# Altium PCB PCB1.PcbDoc (part 1 of 3) (continued)
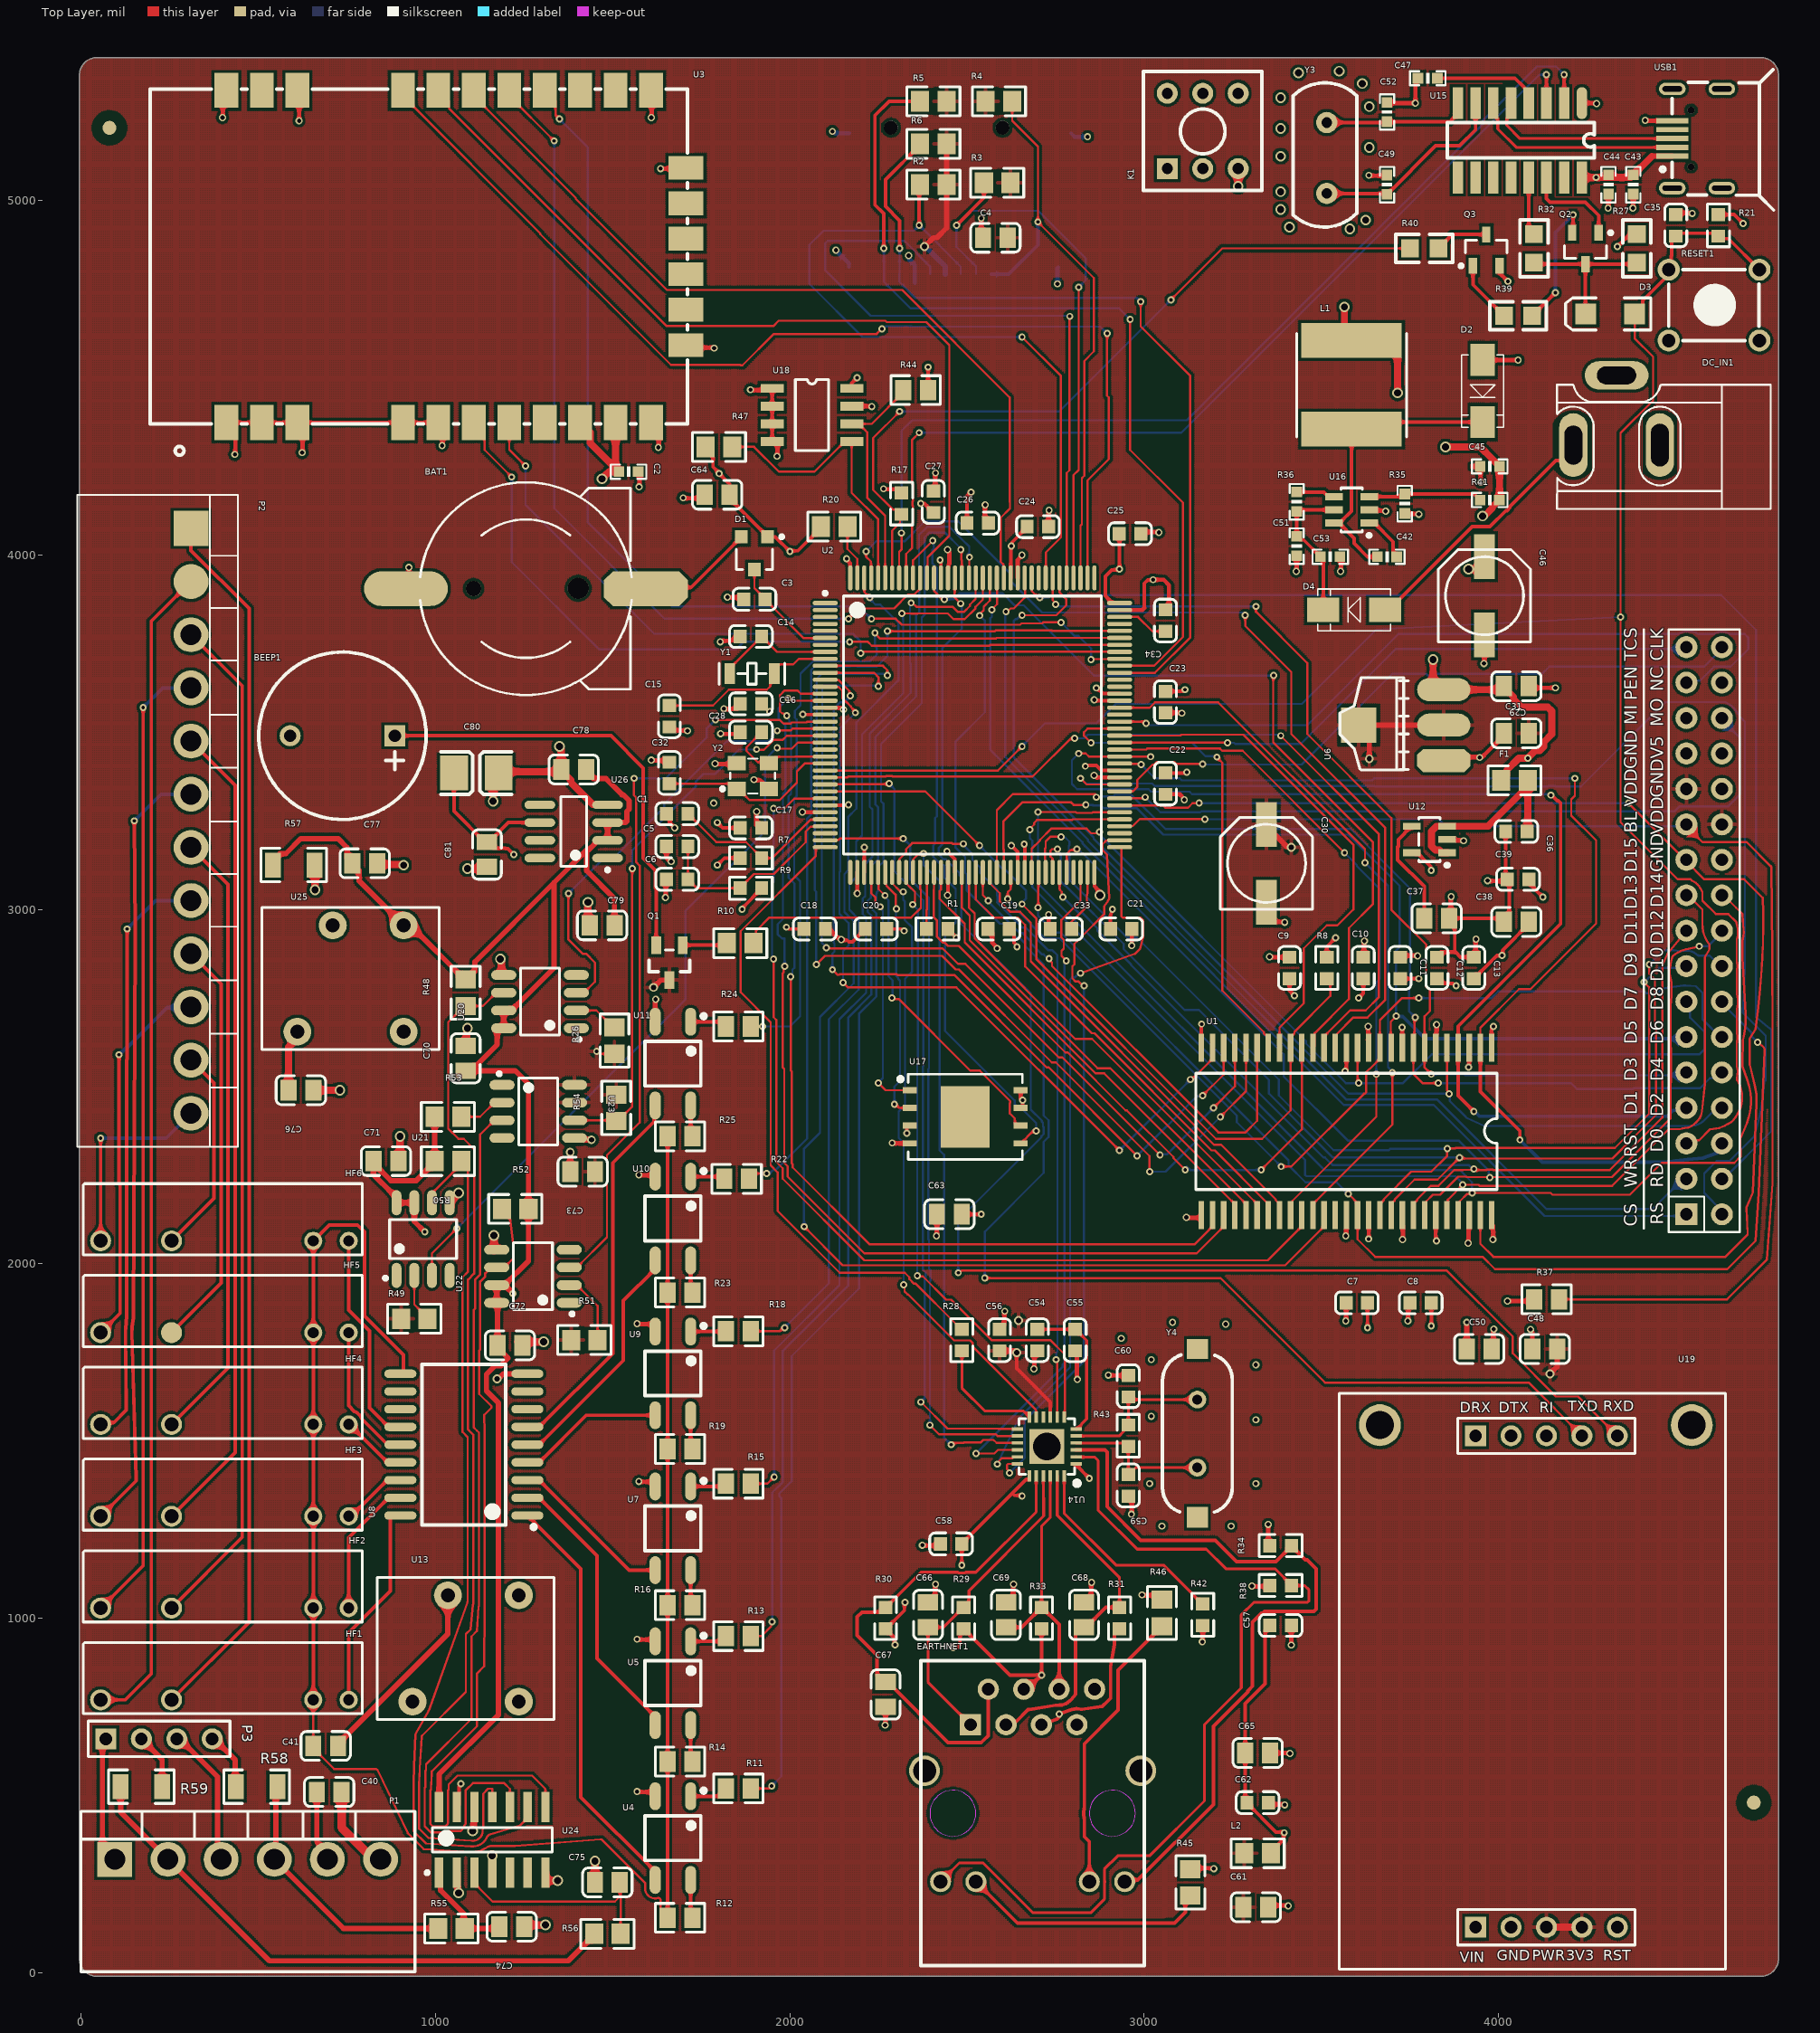
[diagram p0: Top Layer view]
## Components (designator, comment, footprint, x,y, rotation, side; value= is the part's Value field where it differs from the comment)
BAT1 "CMP-00029-00001-1" BATM 1255,3905 r90 top
BEEP1 "BEEP" BELL-5 885,3490 r180 top
C1 "CAP" LC-0603_C 1682.03,3270 r0 top value=104
C2 "104" 0603P 1545,4235 r180 top
C3 "CAP" LC-0603_C 1900,3875 r0 top value=104
C4 "CMP-001-00083-1" CAP 2580,4895 r0 top value=104
C5 "CAP" LC-0603_C 1682.03,3177.5 r0 top value=104
C6 "CMP-001-00083-1" LC-0603_C 1682.03,3085 r0 top value=10uF
C7 "CAP" LC-0603_C 3600,1890 r0 top value=104
C8 "CAP" LC-0603_C 3780,1890 r0 top value=104
C9 "CAP" LC-0603_C 3410,2835 r270 top value=104
C10 "CAP" LC-0603_C 3618,2835 r270 top value=104
C11 "CAP" LC-0603_C 3722,2835 r270 top value=104
C12 "CAP" LC-0603_C 3826,2835 r270 top value=104
C13 "CAP" LC-0603_C 3930,2835 r270 top value=104
C14 "CMP-001-00083-1" LC-0603_C 1890,3770 r0 top value=6pF
C15 "CMP-001-00083-1" LC-0603_C 1660,3545 r90 top value=6pF
C16 "CMP-001-00083-1" LC-0603_C 1890,3580 r0 top value=104
C17 "CMP-001-00083-1" LC-0603_C 1890,3230 r180 top value=104
C18 "CAP" LC-0603_C 2070,2945 r180 top value=104
C19 "CAP" LC-0603_C 2589,2945 r0 top value=104
C20 "CAP" LC-0603_C 2243,2945 r0 top value=104
C21 "CAP" LC-0603_C 2935,2945 r180 top value=104
C22 "CAP" LC-0603_C 3060,3355 r90 top value=104
C23 "CAP" LC-0603_C 3060,3585 r90 top value=104
C24 "104" LC-0603_C 2700,4080 r180 top
C25 "CAP" LC-0603_C 2960,4060 r180 top value=104
C26 "CAP" LC-0603_C 2530,4090 r180 top value=104
C27 "CAP" LC-0603_C 2405,4150 r270 top value=104
C28 "CMP-001-00083-1" LC-0603_C 1890,3500 r0 top value=22pF
C29 "CMP-001-00083-1" CAP 4050,3630 r180 top value=104
C30 "220uF/10V" 220uF/10V 3345,3130 r270 top
C31 "CMP-001-00083-1" CAP 4050,3497 r0 top value=104
C32 "CMP-001-00083-1" LC-0603_C 1660,3385 r270 top value=22pF
C33 "CMP-001-00083-1" LC-0603_C 2765,2945 r0 top value=225
C34 "CMP-001-00083-1" LC-0603_C 3060,3815 r270 top value=225
C35 "CAP" LC-0603_C 4500,4930 r90 top value=104
C36 "CMP-001-00083-1" LC-0603_C 4050,3220 r0 top value=10uF
C37 "CMP-001-00083-1" CAP 3825,2975 r180 top value=103
C38 "CMP-001-00083-1" CAP 4050,2965 r0 top value=104
C39 "CMP-001-00083-1" LC-0603_C 4055,3085 r0 top value=10uF
C40 "CMP-001-00083-1" CAP 700,510 r0 top value=1uF
C41 "CMP-001-00083-1" CAP 690,640 r0 top value=0.47uF
C42 "104" 0603P 3685,3995 r0 top
C43 "104" 0603P 4380,5045 r90 top
C44 "10uF" 0603P 4310,5045 r90 top
C45 "104" 0603P 3975,4250 r0 top
C46 "220uF" CC6.56.5 3960,3885 r270 top
C47 "104" 0603P 3800,5345 r180 top
C48 "CMP-001-00083-1" CAP 4130,1760 r180 top value=104
C49 "22pF" 0603P 3685,5045 r270 top
C50 "CMP-001-00083-1" CAP 3945,1760 r0 top value=104
C51 "10uF" 0603P 3430,4025 r90 top
C52 "22pF" 0603P 3685,5250 r270 top
C53 "104" 0603P 3525,3995 r180 top
C54 "CAP" LC-0603_C 2698.33,1785 r90 top value=104
C55 "CMP-001-00083-1" LC-0603_C 2805,1785 r90 top value=10uF
C56 "CAP" LC-0603_C 2591.67,1785 r270 top value=104
C57 "CAP" LC-0603_C 3385,980 r180 top value=104
C58 "CAP" LC-0603_C 2455,1210 r0 top value=104
C59 "CMP-001-00083-1" LC-0603_C 2955,1375 r90 top value=22
C60 "CMP-001-00083-1" LC-0603_C 2955,1655 r270 top value=22
C61 "CMP-001-00083-1" CAP 3315,185 r180 top value=104
C62 "CMP-001-00083-1" LC-0603_C 3320,480 r180 top value=10uF
C63 "CMP-001-00083-1" CAP 2450,2140 r180 top value=104
C64 "CMP-001-00083-1" CAP 1795,4170 r180 top value=104
C65 "CMP-001-00083-1" CAP 3320,620 r180 top value=223
C66 "CMP-001-00083-1" CAP 2389.7,1009.69 r270 top value=10
C67 "CMP-001-00083-1" CAP 2270,785 r90 top value=10
C68 "CMP-001-00083-1" CAP 2829.9,1009.69 r270 top value=10
C69 "CMP-001-00083-1" CAP 2609.8,1009.69 r270 top value=10
C70 "CAP" CAP 1085,2580 r90 top value=104
C71 "CAP" CAP 860,2290 r0 top value=104
C72 "CAP" CAP 1210,1770 r0 top value=104
C73 "CAP" CAP 1415,2260 r180 top value=104
C74 "CAP" CAP 1215,130 r180 top value=104
C75 "CAP" CAP 1485,255 r0 top value=104
C76 "CMP-001-00083-1" CAP 620,2490 r180 top value=1uF
C77 "CMP-001-00083-1" CAP 800,3130 r0 top value=10uF
C78 "CAP" CAP 1390,3395 r0 top value=10uF
C79 "CAP" CAP 1470,2955 r0 top value=0.1uF
C80 "A型钽电容" A型贴片钽电容 1115,3385 r0 top
C81 "CAP" CAP 1145,3155 r90 top value=104
D1 "CMP-004-00032-1" SOT-23 1900,4010 r180 top
D2 "SS14" DIODE_3*5.3 3955,4460 r270 top
D3 "1N4148" 3.2X1.6X1.1 4315,4680 r180 top
D4 "SS14" DIODE_3*5.3 3590,3845 r180 top
DC_IN1 "POWER" DC10B 4630,4480 r180 top
EARTHNET1 "RJ45" HR911105A 2685,450 r180 top
F1 "CMP-009-00177-1" RES#1 4044.69,3364 r0 top value=1000MA
HF1 "HF49FD" HF49FDXXX_1HX1#1 410,830 r90 top
HF2 "HF49FD" HF49FDXXX_1HX1#1 410,1089 r90 top
HF3 "HF49FD" HF49FDXXX_1HX1#1 410,1348 r90 top
HF4 "HF49FD" HF49FDXXX_1HX1#1 410,1607 r90 top
HF5 "HF49FD" HF49FDXXX_1HX1#2 410,1866 r90 top
HF6 "HF49FD" HF49FDXXX_1HX1#1 410,2125 r90 top
K1 "BUTTON" BTN8.5*8.5 3065,5090 r90 top
L1 "4.7uH" L_SOP74 3585,4605 r270 top
L2 "L220R" RES#1 3320,337.32 r0 top
P1 "KF2EDG 3.81MM插拔式 6P" "KF2EDG 3.81MM拔插" 395,320 r0 top
P2 "KF2EDG 3.81MM插拔式 12P" "KF2EDG 3.81mm插拔式" 310,3325 r270 top
P3 "Header 4" HDR1X4 70,660 r0 top
Q1 "S8050" NPN/PNP 1660,2850 r90 top
Q2 "S8050" SOT-23_N 4245,4865 r270 top
Q3 "S8550" SOT-23B_N 3965,4860 r90 top
R1 "CMP-009-00177-1" LC-0603_R 2416,2945 r180 top value=100K
R2 "10K" RES#1 2405,5045 r0 top
R3 "10K" RES#1 2585,5050 r0 top
R4 "10K" RES#1 2590,5280 r180 top
R5 "10K" RES#1 2405,5280 r0 top
R6 "10K" RES#1 2405,5160 r0 top
R7 "CMP-009-00177-1" LC-0603_R 1890,3145 r180 top value=10R
R8 "10K" LC-0603_R 3515,2835 r270 top
R9 "CMP-009-00177-1" LC-0603_R 1890,3060 r180 top value=10R
R10 "1K" RES#1 1860,2905 r180 top
R11 "RES" RES#2 1855,520 r180 top value=560R
R12 "CMP-009-00180-1" RES#2 1690,155 r180 top value=22k
R13 "RES" RES#2 1855,950 r180 top value=560R
R14 "CMP-009-00180-1" RES#2 1690,596 r180 top value=22k
R15 "RES" RES#2 1855,1380 r180 top value=560R
R16 "CMP-009-00180-1" RES#2 1690,1037 r180 top value=22k
R17 "CMP-009-00177-1" LC-0603_R 2315,4145 r90 top value=100K
R18 "RES" RES#2 1855,1810 r180 top value=560R
R19 "CMP-009-00180-1" RES#2 1690,1478 r180 top value=22k
R20 "CMP-009-00177-1" RES#1 2125,4080 r0 top value=0R
R21 "10K" LC-0603_R 4620,4930 r90 top
R22 "RES" RES#2 1850,2240 r180 top value=560R
R23 "CMP-009-00180-1" RES#2 1690,1919 r180 top value=22k
R24 "RES" RES#2 1855,2670 r180 top value=560R
R25 "CMP-009-00180-1" RES#2 1690,2360 r180 top value=22k
R26 "RES" RES#1 1505,2630 r90 top value=680R
R27 "10K" 0805R 4390,4825 r90 top
R28 "510R" LC-0603_R 2485,1785 r270 top
R29 "49.9R" LC-0603_R 2490.1,1000.43 r270 top
R30 "49.9R" LC-0603_R 2270,1000.43 r270 top
R31 "49.9R" LC-0603_R 2930.3,1000.43 r270 top
R32 "1K" 0805R 4100,4825 r90 top
R33 "49.9R" LC-0603_R 2710.2,1000.43 r270 top
R34 "10K" LC-0603_R 3385,1205 r180 top
R35 "9.53K" 0603P 3735,4145 r270 top
R36 "100K" 0603P 3430,4150 r90 top
R37 "CMP-009-00180-1" RES#2 4135,1900 r0 top value=4.7K
R38 "10K" LC-0603_R 3385,1092.5 r180 top
R39 "1K" 0805R 4015,4675 r0 top
R40 "1K" 0805R 3750,4865 r0 top
R41 "49.9K" 0603P 3975,4155 r180 top
R42 "12.1K" LC-0603_R 3165,1010 r90 top
R43 "1M" LC-0603_R 2955,1515 r90 top
R44 "CMP-009-00180-1" RES#2 2355,4465 r0 top value=4.7K
R45 "510R" RES#1 3130,255 r270 top
R46 "510R" RES#1 3050,1015 r270 top
R47 "4.7K" RES#1 1800,4305 r180 top
R48 "RES" RES#1 1085,2765 r90 top value=4.7K
R49 "RES" RES#1 940,1845 r0 top value=680R
R50 "RES" RES#1 1035,2290 r180 top value=4.7K
R51 "RES" RES#1 1420,1785 r0 top value=680R
R52 "RES" RES#1 1225,2155 r0 top value=4.7K
R53 "RES" RES#1 1035,2415 r0 top value=680R
R54 "RES" RES#1 1510,2440 r90 top value=4.7K
R55 "RES" RES#1 1045,125 r0 top value=680
R56 "RES" RES#1 1485,110 r0 top value=680
R57 "CMP-009-00180-1" 1206_R 600,3125 r0 top value=166.7R
R58 "CMP-009-00180-1" 1206_R 495,525 r180 top value=250
R59 "CMP-009-00180-1" 1206_R 170,525 r0 top value=250
RESET1 "CMP-012-000013-1" KEY_M 4480,4805 r0 top
TF1 "TF_Card" TF_CARD 2175,5190 r0 bottom
TFTLCD1 "TFT_LCD2" DB2*17-3.5 4740,1865 r90 bottom
U1 "W9825G6KH-6" TSOP54 3980,2610 r270 top
U2 "stm32f429zgt6" STM-LQFP144_N 2515,3520 r0 top
U3 "E32-400M30S" WIRELM-SMD_E32-400M30S -575,6860 r270 top
U4 "TLP185GB" TLP185GB 1670,380 r270 top
U5 "TLP185GB" TLP185GB 1670,817 r270 top
U6 "AMS1117-3.3" AMS1117 3845,3420 r90 top
U7 "TLP185GB" TLP185GB 1670,1254 r270 top
U8 "ULN2803" ULN2803 1080,1490 r90 top
U9 "TLP185GB" TLP185GB 1670,1691 r270 top
U10 "TLP185GB" TLP185GB 1670,2128 r270 top
U11 "TLP185GB" TLP185GB 1670,2565 r270 top
U12 "CAT6219-330TD" SOT-23-5 3855,3160 r180 top
U13 "B_D-1WR2" B_D-1WR2 1135,965 r0 top
U14 "LAN8720A" QFN24 2725,1485 r180 top
U15 "CH340G" CH340 4235,5275 r270 top
U16 "MP2359" SOT-23-6 3635,4090 r180 top
U17 "W25Q256" WSON8 2495,2415 r0 top
U18 "24C02" SOP-8 1950,4470 r0 top
U19 "BC25" BC28 3000,2330 r270 top
U20 "6N137" 6N137 1295,2740 r90 top
U21 "6N137" 6N137 965,2070 r0 top
U22 "6N137" 6N137 1275,1965 r90 top
U23 "6N137" 6N137 1290,2430 r270 top
U24 "MCP3204" MCP3204 1160,375 r90 top
U25 "B_D-1WR2" B_D-1WR2 810,2855 r0 top
U26 "REF198-E" REF198 1390,3220 r180 top
USB1 "USB" USB-mirco 4490,5175 r90 top
Y1 "XTAL-32.768Khz" XTAL3215 1830,3665 r0 top
Y2 "25MHz" XTAL3225 1850,3340 r0 top
Y3 "12MHz" 插针二脚晶振 3515,5020 r90 top
Y4 "25MHz" XTAL_US 3150,1425 r90 top

## Footprints (in the part's own frame and the unit in brackets; to place one, negate y for a bottom-side part, rotate by r counter-clockwise, add the part's x,y. Pads: shape width x height; smd on the part's side, far side on the other; paste and mask are expansions set on the pad)
3.2X1.6X1.1 [mm]
  rect 1.5x1.5 smd: 1(-1.75,0) 2(1.75,0)
  silkscreen extent -2.9,-1.15 3.2,1.15
6N137 [mm]
  oval 0.7x1.8 smd: 1(-1.905,-2.6) 2(-0.635,-2.6) 3(0.635,-2.6) 4(1.905,-2.6) 5(1.905,2.6) 6(0.635,2.6) 7(-0.635,2.6) 8(-1.905,2.6)
  silkscreen extent -2.82,-2.93 2.4,1.4
220uF/10V [mm]
  rect 3.2x1.5 smd: 1(-2.794,0) 2(2.8,0)
  silkscreen extent -3.3,-3.3 3.3,3.3
0603P [mil]
  rect 30x30 smd: 1(-27,0) 2(27.5,-0.06)
  silkscreen extent -50,-20 50,20
0805R [mil]
  rect 50x50 smd: 1(0,0) 2(80,0)
  silkscreen extent -40,-40 120,40
1206_R [mm]
  rect 1.13x1.8 smd: 1(-1.49,0) 2(1.49,0)
  silkscreen extent -2.36,-1.2 2.35,1.2, body extent -1.7,-0.86 1.65,0.87, height 0.85
AMS1117 [mil]
  oct 65x150 smd: 1(0.03,-0.06)
  oval 65x150 smd: 2(100.03,-0.06) 3(200.03,-0.06)
  rect 100x100 smd: 4(100.03,239.94)
  silkscreen extent -26,100 234,293
A型贴片钽电容 [mm]
  rect 2x2.5 smd: 1(-1.6,0) 2(1.6,0)
  silkscreen extent -2.54,-1.52 2.54,1.52
B_D-1WR2 [mm]
  round 2 hole 1: 1(-5.08,-5.08) 4(2.54,-5.08) 5(2.54,2.54) 7(-2.54,2.54)
  silkscreen extent -7.62,-6.35 5.08,3.81
BATM [mm]
  round 1.1 hole 1.1 unplated: 0(0,3.748)
  round 1.5 hole 1.5 unplated: 0(0.025,-3.752)
  oct 2.5x6 smd: 1(0,-8.602)
  oval 2.5x6 smd: 2(0,8.598)
  silkscreen extent -7.62,-7.58 7.62,7.57
BC28 [mm]
  round 3 hole 2: 0(19.939,39.243) 1(19.939,16.891)
  rect 1.5x1.5 hole 0.9: 1(20.701,23.749) 1(55.92,23.749)
  round 1.5 hole 0.9: 2(20.701,26.289) 2(55.92,26.289) 3(20.701,28.829) 3(55.92,28.829) 4(20.701,31.369) 4(55.92,31.369) 5(20.701,33.909) 5(55.92,33.909)
  silkscreen extent 17.65,13.97 58.93,41.66
BELL-5 [mm]
  rect 1.5x1.5 hole 0.9: 1(0,0)
  round 1.5 hole 0.9: 2(7.5,0)
  silkscreen extent -2.25,-6 9.75,6
BTN8.5*8.5 [mm]
  rect 1.5x1.5 hole 0.8: 1(0,0)
  round 1.5 hole 0.8: 2(0,-2.54) 3(0,-5.08) 4(5.4,-5.08) 5(5.4,-2.54) 6(5.4,0)
  silkscreen extent -1.55,-6.79 6.95,1.71
CAP [mm]
  rect 1.16x1.47 smd: 1(-0.89,0) 2(0.89,0)
  silkscreen extent -1.77,-1.04 1.77,1.04, body extent -1,-0.62 1,0.63, height 0.77
CC6.56.5 [mm]
  rect 3.2x1.5 smd: 1(-2.794,0) 2(2.8,0)
  silkscreen extent -3.3,-3.3 3.3,3.3
CH340 [mil]
  oval 90x30 smd: 1(0,0)
  rect 90x30 smd: 2(0,-50) 3(0,-100) 4(0,-150) 5(0,-200) 6(0,-250) 7(0,-300) 8(0,-350) 9(210,-350) 10(210,-300) 11(210,-250) 12(210,-200) 13(210,-150) 14(210,-100) 15(210,-50) 16(210,0)
  silkscreen extent 55,-380 155,35
DB2*17-3.5 [mil]
  round 137.8 on Mid1: 0(5.2,-4515)
  round 137.8 smd: 0(2149.88,-4515)
  rect 62x62 hole 35: 1(275,-210)
  round 62 hole 35: 2(275,-110) 3(375,-210) 4(375,-110) 5(475,-210) 6(475,-110) 7(575,-210) 8(575,-110) 9(675,-210) 10(675,-110) 11(775,-210) 12(775,-110) 13(875,-210) 14(875,-110) 15(975,-210) 16(975,-110) 17(1075,-210) 18(1075,-110) 19(1175,-210) 20(1175,-110) 21(1275,-210) 22(1275,-110) 23(1375,-210) 24(1375,-110) 25(1475,-210) 26(1475,-110) 27(1575,-210) 28(1575,-110) 29(1675,-210) 30(1675,-110) 31(1775,-210) 32(1775,-110) 33(1875,-210) 34(1875,-110)
  silkscreen extent -135,-4615 2290,0
DC10B [mil]
  oval 80x180 hole 50 slot 110 at 90 deg: 1(419.09,170)
  oval 80x180 hole 50 slot 120 at 90 deg: 2(175,170)
  oval 180x80 hole 50 slot 110 at 0 deg: 3(297.05,-26.85)
  silkscreen extent -138,0 465,350
DIODE_3*5.3 [mm]
  rect 2.3x1.75 smd: 1(-2.286,0) 2(2.159,0)
  silkscreen extent -2.67,-1.5 2.54,1.5
HDR1X4 [mm]
  rect 1.5x1.5 hole 0.9: 1(0,0)
  round 1.5 hole 0.9: 2(2.54,0) 3(5.08,0) 4(7.62,0)
  silkscreen extent -1.27,-1.27 8.89,1.27
HF49FDXXX_1HX1#1 [mm]
  round 1.3 hole 0.8: 1(-1.524,-8.763) 2(-1.524,-6.223)
  round 1.5 hole 1: 3(-1.524,3.937) 4(-1.524,9.017)
  silkscreen extent -2.52,-9.73 2.58,10.27
HF49FDXXX_1HX1#2 [mm]
  round 1.3 hole 0.8: 1(-1.524,-8.763) 2(-1.524,-6.223)
  round 1.5 smd: 3(-1.524,3.937)
  round 1.5 hole 1: 4(-1.524,9.017)
  silkscreen extent -2.52,-9.73 2.58,10.27
HR911105A [mm]
  rect 1.524x1.524 hole 0.889: 1(4.45,-6.35)
  round 1.524 hole 0.889: 2(3.18,-8.89) 3(1.91,-6.35) 4(0.64,-8.89) 5(-0.63,-6.35) 6(-1.9,-8.89) 7(-3.17,-6.35) 8(-4.44,-8.89)
  round 1.5 hole 1.02: 9(6.6,4.9) 10(4.064,4.9) 11(-4.064,4.9) 12(-6.6,4.9)
  round 2.2 hole 1.65: 13(7.75,-3.048) 14(-7.75,-3.048)
  Keep-Out Layer circle w0.051: c5.716,0 r1.65
  Keep-Out Layer circle w0.051: c-5.714,0 r1.65
  silkscreen extent -8,-10.92 8,10.92
KEY_M [mil]
  round 62 hole 38: 1(0,0) 1(255.91,0) 2(0,-200) 2(255.91,-200)
  silkscreen extent 0,-200 255,0
"KF2EDG 3.81MM拔插" [mm]
  rect 2.5x2.5 hole 1.5: 1(-7.62,0)
  round 2.5 hole 1.5: 2(-3.81,0) 3(0,0) 4(3.81,0) 5(7.62,0) 6(11.43,0)
  silkscreen extent -10.03,-8.05 13.89,3.45
"KF2EDG 3.81mm插拔式" [mm]
  rect 2.5x2.5 smd: 1(-19.05,0)
  round 2.5 smd: 2(-15.24,0)
  round 2.5 hole 1.5: 3(-11.43,0) 4(-7.62,0) 5(-3.81,0) 6(0,0) 7(3.81,0) 8(7.62,0) 9(11.43,0) 10(15.24,0) 11(19.05,0) 12(22.86,0)
  silkscreen extent -21.46,-8.14 25.25,3.36
L_SOP74 [mm]
  rect 2.5x7.2 smd: 1(0,0) 2(6.35,0)
  silkscreen extent -0.51,-3.94 6.89,3.94
LC-0603_C [mm]
  rect 0.93x0.98 smd: 1(-0.77,0) 2(0.77,0)
  silkscreen extent -1.53,-0.79 1.54,0.79, body extent -0.8,-0.4 0.8,0.4, height 0.3
LC-0603_R [mm]
  rect 0.93x0.98 smd: 1(-0.77,0) 2(0.77,0)
  silkscreen extent -1.53,-0.79 1.54,0.79, body extent -0.85,-0.4 0.85,0.4, height 0.56
MCP3204 [mm] "SOIC, 14-Leads, Body 8.6x3.9mm (max), Pitch 1.27mm, IPC Medium Density"
  rect 2.15x0.6 smd: 1(-2.35,3.81) 2(-2.35,2.54) 3(-2.35,1.27) 4(-2.35,0) 5(-2.35,-1.27) 6(-2.35,-2.54) 7(-2.35,-3.81) 8(2.35,-3.81) 9(2.35,-2.54) 10(2.35,-1.27) 11(2.35,0) 12(2.35,1.27) 13(2.35,2.54) 14(2.35,3.81)
  silkscreen extent -2.47,-4.3 0.87,4.78, body extent -1.95,-4.33 1.95,4.33, height 1.75
NPN/PNP [mm]
  rect 1.25x0.7 smd: 1(1.25,-0.95) 2(1.25,0.95) 3(-1.25,0)
  silkscreen extent -0.65,-1.46 0.9,1.46, body extent -1.5,-1.5 1.5,1.5, height 1.3
QFN24 [mm]
  rect 0.8x0.25 smd: 1(-2.101,1.25) 2(-2.101,0.75) 3(-2.101,0.25) 4(-2.101,-0.25) 5(-2.101,-0.75) 6(-2.101,-1.25) 13(2.101,-1.25) 14(2.101,-0.75) 15(2.101,-0.25) 16(2.101,0.25) 17(2.101,0.75) 18(2.101,1.25)
  rect 0.25x0.8 smd: 7(-1.25,-2.101) 8(-0.75,-2.101) 9(-0.25,-2.101) 10(0.25,-2.101) 11(0.75,-2.101) 12(1.25,-2.101) 19(1.25,2.101) 20(0.75,2.101) 21(0.25,2.101) 22(-0.25,2.101) 23(-0.75,2.101) 24(-1.25,2.101)
  rect 2.5x2.5 hole 2: 25(0,0)
  silkscreen extent -2.31,-2 2,2.79
REF198 [mm]
  oval 2.2x0.6 smd: 1(-2.425,1.905) 2(-2.425,0.635) 3(-2.425,-0.635) 4(-2.425,-1.905) 5(2.425,-1.905) 6(2.425,-0.635) 7(2.425,0.635) 8(2.425,1.905)
  silkscreen extent -2.55,-2.5 0.93,2.88, body extent -2,-2.5 2,2.5, height 1.75
RES#1 [mm]
  rect 1.3x1.47 smd: 1(-0.95,0) 2(0.95,0)
  silkscreen extent -1.91,-1.04 1.91,1.03, body extent -1,-0.62 1,0.63, height 0.49
RES#2 [mm]
  rect 1.16x1.47 smd: 1(-0.89,0) 2(0.89,0)
  silkscreen extent -1.77,-1.04 1.77,1.03, body extent -1,-0.62 1,0.63, height 0.49
SOP-8 [mil]
  rect 65x25 smd: 1(0,0) 2(0,-50) 3(0,-100) 4(0,-150) 5(224.41,-150) 6(224.41,-100) 7(224.41,-50) 8(224.41,0)
  silkscreen extent 65,-175 159,25
SOT-23 [mm]
  rect 0.9x0.95 smd: 1(-0.95,-1.048) 2(0.95,-1.048) 3(0,1.302)
  silkscreen extent -2.07,-1.17 1.3,1.3
SOT-23-5 [mil]
  rect 50x20 smd: 1(0,0) 2(0,-37.4) 3(0,-74.8) 4(100,-74.8) 5(100,0)
  silkscreen extent 0,-99 80,35
SOT-23-6 [mil]
  rect 50x20 smd: 1(0,0) 2(0,-37.4) 3(0,-74.8) 4(100,-74.8) 5(100,-37.4) 6(100,0)
  silkscreen extent 0,-99 80,35
SOT-23_N [mm]
  rect 1.15x0.6 smd: 1(-1.125,0.95) 2(-1.125,-0.95) 3(1.125,0)
  silkscreen extent -1.25,-1.5 0.7,1.93, body extent -0.7,-1.5 0.7,1.5, height 1.1
SOT-23B_N [mm]
  rect 1.15x0.6 smd: 1(-1.125,0.95) 2(-1.125,-0.95) 3(1.125,0)
  silkscreen extent -1.25,-1.5 0.7,1.92, body extent -0.7,-1.5 0.7,1.5, height 1.14
STM-LQFP144_N [mm] "Thin QFP, 144-Leads, Body 20x20mm, Pitch 0.5mm, IPC Medium Density"
  oval 1.8x0.3 smd: 1(-10.55,8.75) 2(-10.55,8.25) 3(-10.55,7.75) 4(-10.55,7.25) 5(-10.55,6.75) 6(-10.55,6.25) 7(-10.55,5.75) 8(-10.55,5.25) 9(-10.55,4.75) 10(-10.55,4.25) 11(-10.55,3.75) 12(-10.55,3.25) 13(-10.55,2.75) 14(-10.55,2.25) 15(-10.55,1.75) 16(-10.55,1.25) 17(-10.55,0.75) 18(-10.55,0.25) 19(-10.55,-0.25) 20(-10.55,-0.75) 21(-10.55,-1.25) 22(-10.55,-1.75) 23(-10.55,-2.25) 24(-10.55,-2.75) 25(-10.55,-3.25) 26(-10.55,-3.75) 27(-10.55,-4.25) 28(-10.55,-4.75) 29(-10.55,-5.25) 30(-10.55,-5.75) 31(-10.55,-6.25) 32(-10.55,-6.75) 33(-10.55,-7.25) 34(-10.55,-7.75) 35(-10.55,-8.25) 36(-10.55,-8.75) 73(10.55,-8.75) 74(10.55,-8.25) 75(10.55,-7.75) 76(10.55,-7.25) 77(10.55,-6.75) 78(10.55,-6.25) 79(10.55,-5.75) 80(10.55,-5.25) 81(10.55,-4.75) 82(10.55,-4.25) 83(10.55,-3.75) 84(10.55,-3.25) 85(10.55,-2.75) 86(10.55,-2.25) 87(10.55,-1.75) 88(10.55,-1.25) 89(10.55,-0.75) 90(10.55,-0.25) 91(10.55,0.25) 92(10.55,0.75) 93(10.55,1.25) 94(10.55,1.75) 95(10.55,2.25) 96(10.55,2.75) 97(10.55,3.25) 98(10.55,3.75) 99(10.55,4.25) 100(10.55,4.75) 101(10.55,5.25) 102(10.55,5.75) 103(10.55,6.25) 104(10.55,6.75) 105(10.55,7.25) 106(10.55,7.75) 107(10.55,8.25) 108(10.55,8.75)
  oval 0.3x1.8 smd: 37(-8.75,-10.55) 38(-8.25,-10.55) 39(-7.75,-10.55) 40(-7.25,-10.55) 41(-6.75,-10.55) 42(-6.25,-10.55) 43(-5.75,-10.55) 44(-5.25,-10.55) 45(-4.75,-10.55) 46(-4.25,-10.55) 47(-3.75,-10.55) 48(-3.25,-10.55) 49(-2.75,-10.55) 50(-2.25,-10.55) 51(-1.75,-10.55) 52(-1.25,-10.55) 53(-0.75,-10.55) 54(-0.25,-10.55) 55(0.25,-10.55) 56(0.75,-10.55) 57(1.25,-10.55) 58(1.75,-10.55) 59(2.25,-10.55) 60(2.75,-10.55) 61(3.25,-10.55) 62(3.75,-10.55) 63(4.25,-10.55) 64(4.75,-10.55) 65(5.25,-10.55) 66(5.75,-10.55) 67(6.25,-10.55) 68(6.75,-10.55) 69(7.25,-10.55) 70(7.75,-10.55) 71(8.25,-10.55) 72(8.75,-10.55) 109(8.75,10.55) 110(8.25,10.55) 111(7.75,10.55) 112(7.25,10.55) 113(6.75,10.55) 114(6.25,10.55) 115(5.75,10.55) 116(5.25,10.55) 117(4.75,10.55) 118(4.25,10.55) 119(3.75,10.55) 120(3.25,10.55) 121(2.75,10.55) 122(2.25,10.55) 123(1.75,10.55) 124(1.25,10.55) 125(0.75,10.55) 126(0.25,10.55) 127(-0.25,10.55) 128(-0.75,10.55) 129(-1.25,10.55) 130(-1.75,10.55) 131(-2.25,10.55) 132(-2.75,10.55) 133(-3.25,10.55) 134(-3.75,10.55) 135(-4.25,10.55) 136(-4.75,10.55) 137(-5.25,10.55) 138(-5.75,10.55) 139(-6.25,10.55) 140(-6.75,10.55) 141(-7.25,10.55) 142(-7.75,10.55) 143(-8.25,10.55) 144(-8.75,10.55)